# KiCad board CPU2908C.kicad_pcb (continued)
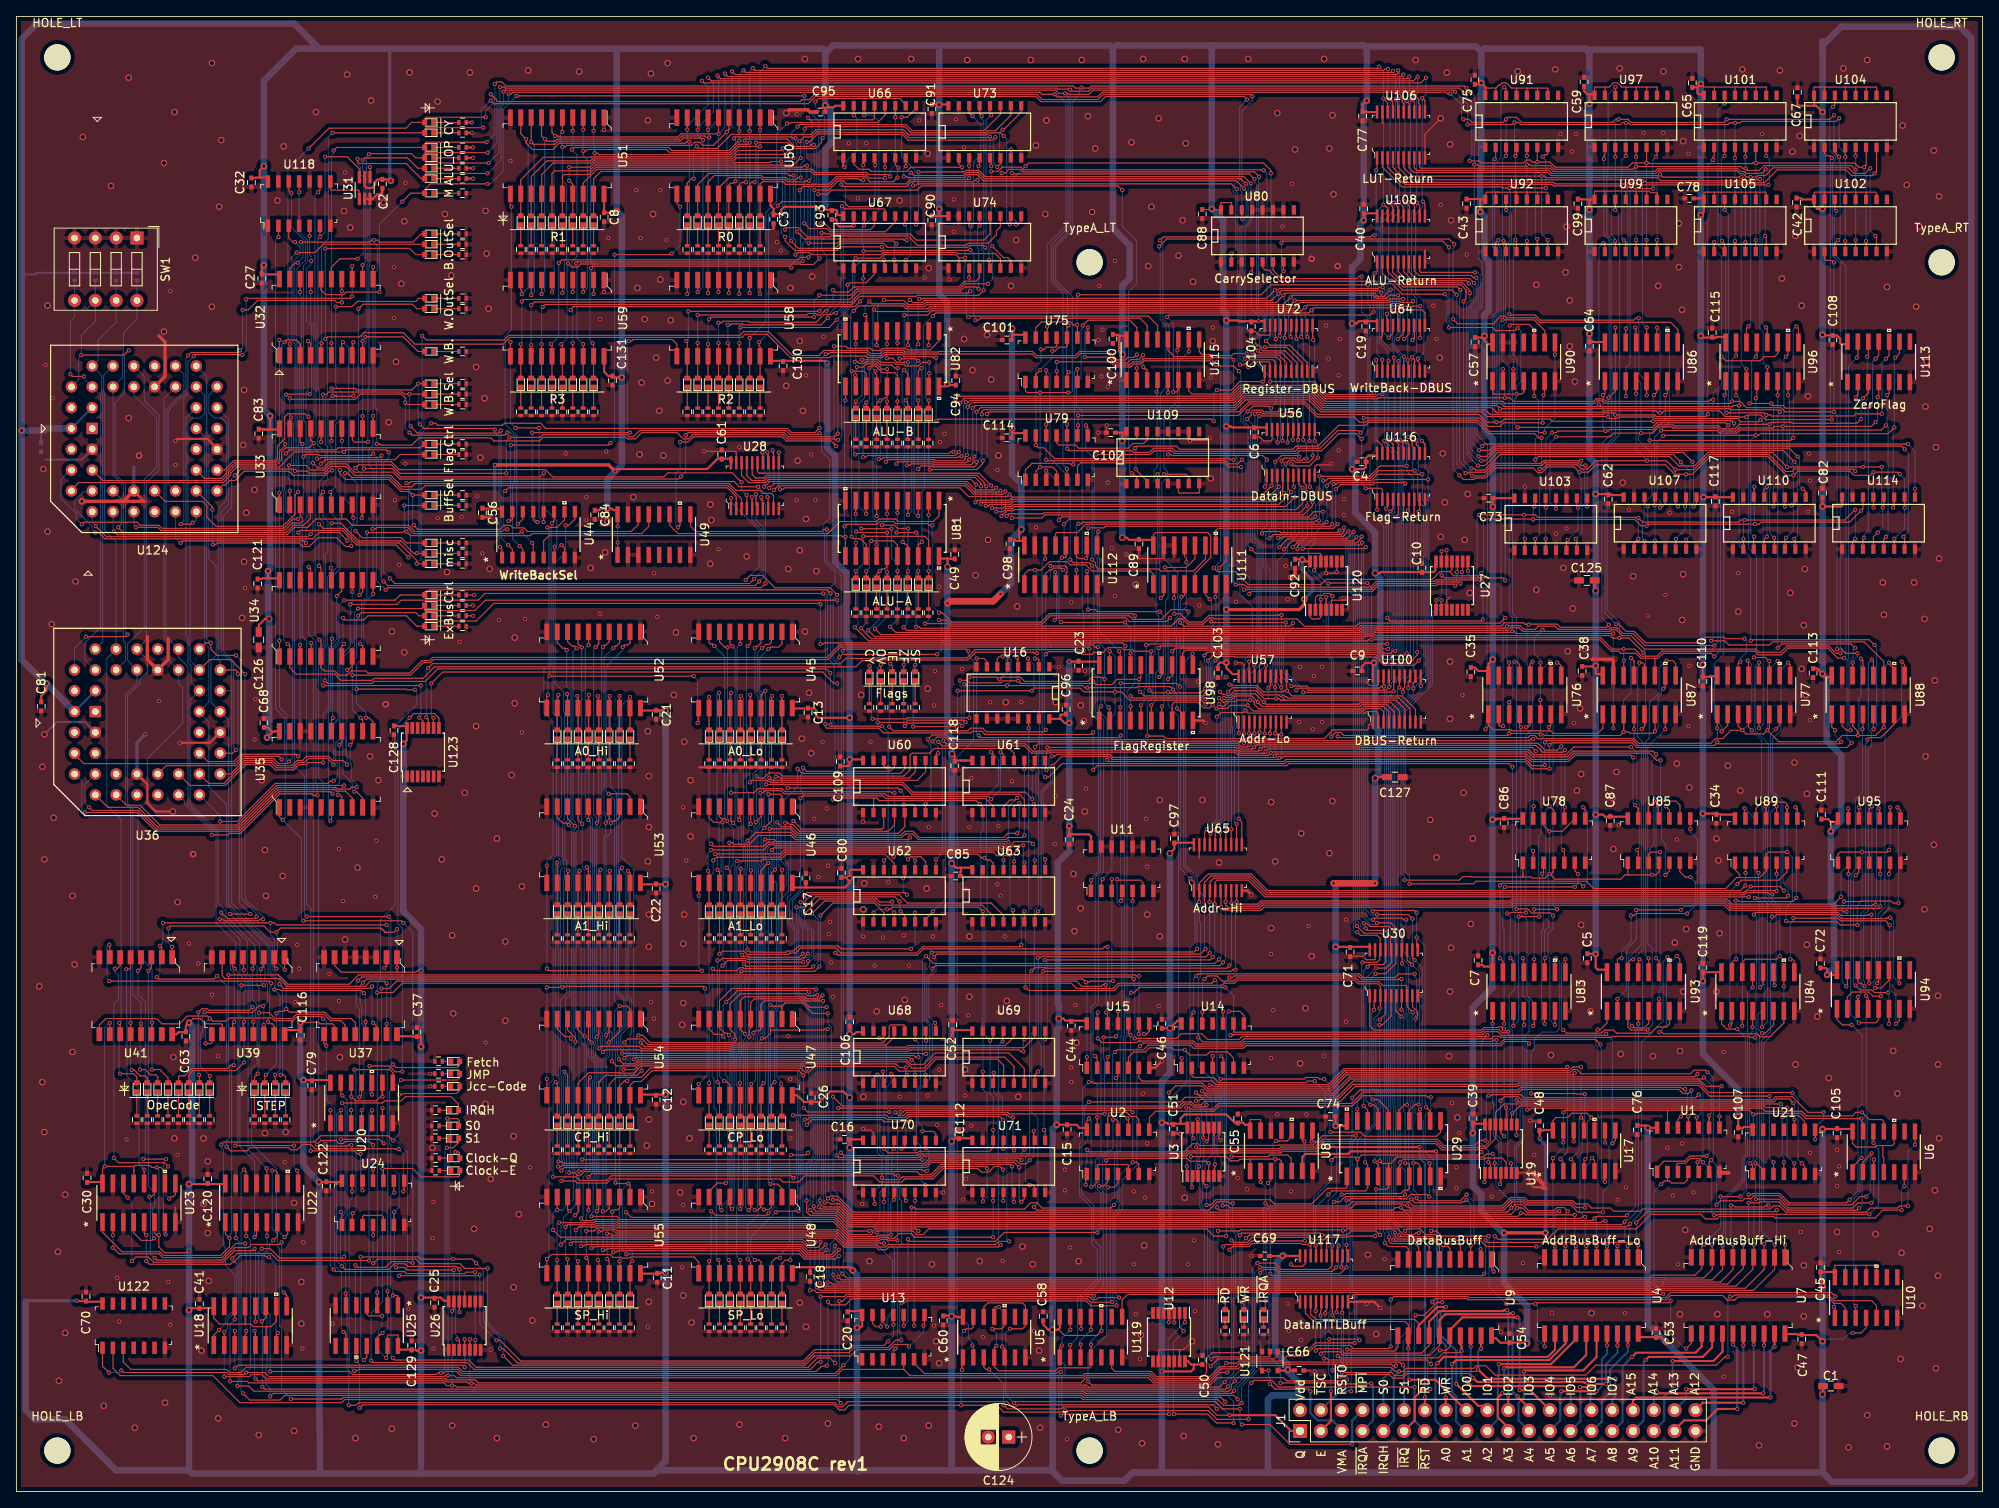
[diagram p0: board, top side]
## Routing (per net, layer and track width the routed paths; a pad name or vN(x,y) marks a point on that pad's centre or on a via; arc(x,y) is an arc through that point) (continued)
/Executer/L72: length 47
  Top w0.127: v1(96.11,46.79) 96.58,46.32 v1(106.57,46.32) ; 107.16,49.71 107.16,50.62 v1(106.79,50.98) ; v1(96.07,50.79) 95.49,51.36 77.58,51.36 76.26,50.04 75.37,50.04 74.9,49.57 U54.19 74.9,45.9
  Bottom w0.127: v1(106.57,46.32) 106.16,46.73 106.16,49.33 106.79,49.97 v1(106.79,50.98) ; v1(96.11,46.79) 96.07,46.83 v1(96.07,50.79)
/Executer/L73: length 46.5
  Top w0.127: v1(75.93,55.68) 76.44,55.68 77.33,54.79 87.46,54.79 87.52,54.73 90.83,54.73 ; 90.83,54.73 91.11,54.73 ; 90.83,54.73 105.72,54.73 106.54,55.55 106.54,56.74 106.75,56.95 108.32,56.95 108.44,56.82 108.44,56.32 ; v1(74.53,50.09) 74.18,50.09 73.63,49.54 U54.18 73.63,45.78
  Bottom w0.127: v1(75.93,55.68) 75.68,55.43 75.68,53.07 75.79,52.96 75.79,51.35 v1(74.53,50.09)
/Executer/L74: length 56.5
  Top w0.127: 72.36,45.9 U54.17 72.36,49.7 73.21,50.54 74.37,50.54 74.38,50.55 76.26,50.55 77.4,51.68 95.77,51.68 96.28,51.18 96.7,51.18 97.42,51.89 107.15,51.89 107.74,51.3 110.8,51.3 112.25,52.76 119.75,52.76 120.51,52 120.51,49.97
/Executer/L75: length 60.5
  Top w0.127: v1(76.31,51.36) 75.75,50.8 74.27,50.8 74.26,50.8 71.94,50.8 71.09,49.95 U54.16 71.09,45.78 ; v1(76.19,54.79) 76.69,54.28 87.25,54.28 87.31,54.22 108.64,54.22 108.83,54.42 120.69,54.42 121.76,55.49 121.76,56.19
  Bottom w0.127: v1(76.31,51.36) 76.31,54.67 v1(76.19,54.79)
/Executer/L76: length 66.6
  Top w0.127: 69.82,45.78 U54.15 69.82,50.32 v1(70.04,50.54) ; v1(107.11,35.62) 107.11,36.33 107.16,36.38 ; v1(68.93,33.33) 69.18,33.08 70.34,33.08 70.47,33.2 73.34,33.2 73.6,32.95 99.71,32.95 101.55,31.11 105.12,31.11 105.31,31.3 106.66,31.3 v1(106.72,31.36)
  Bottom w0.127: v1(70.04,50.54) 70.04,39.26 69.19,38.41 69.19,33.58 v1(68.93,33.33) ; v1(107.11,35.62) 106.72,35.22 v1(106.72,31.36)
/Executer/L77: length 57.9
  Top w0.127: v1(96.49,44.76) 97.12,45.39 105.65,45.39 105.9,45.14 v1(108.95,45.14) ; 68.55,45.78 U54.14 68.55,49.82 69.84,51.11 73.76,51.11 73.82,51.05 74.16,51.05 74.17,51.06 75.36,51.06 76.24,51.94 96.17,51.94 v1(96.49,51.62) ; 108.44,42.73 108.44,41.97 108.32,41.84 v1(108,41.84)
  Bottom w0.127: v1(96.49,44.76) 96.74,45.01 96.74,51.01 96.49,51.26 v1(96.49,51.62) ; v1(108.95,45.14) 108.57,44.76 108.57,42.41 v1(108,41.84)
/Executer/L78: length 80.4
  Top w0.127: v1(66.52,37.9) 68.19,37.9 68.43,37.65 72.09,37.65 72.6,38.15 93.19,38.15 93.57,37.77 95.49,37.77 96.25,38.53 104.64,38.53 105.4,37.77 108.06,37.77 108.44,38.16 111.62,38.16 111.87,38.15 113.14,39.42 117.36,39.42 117.8,38.98 118.67,38.98 119.36,39.67 120.07,39.67 v1(120.45,39.3) ; 120.49,36.38 120.45,36.33 v1(120.45,35.49) ; v1(66.9,51.24) 67.28,50.85 U54.13 67.28,45.78
  Bottom w0.127: v1(66.9,51.24) 66.9,50.83 67.03,50.71 67.03,41.2 67.15,41.08 67.15,39.22 67.05,39.13 67.05,38.44 v1(66.52,37.9) ; v1(120.45,39.3) v1(120.45,35.49)
/Executer/L79: length 86.2
  Top w0.127: 66.01,45.9 U54.12 66.01,49.78 v1(65.82,49.97) ; v1(121.78,41.64) 121.78,42.85 ; v1(65.5,38.41) 68.3,38.41 68.74,37.97 72.05,37.97 72.61,38.53 94.61,38.53 v1(94.86,38.28) ; v1(121.65,45.65) 121.27,45.65 120.89,46.03 108.85,46.03 108.47,45.65 106.49,45.65 106.21,45.92 v1(94.8,45.92)
  Bottom w0.127: v1(65.5,38.41) 65.5,49.64 v1(65.82,49.97) ; v1(94.86,38.28) 95.24,38.66 95.24,45.48 v1(94.8,45.92) ; v1(121.65,45.65) 121.65,41.77 v1(121.78,41.64)
/Executer/L80: length 74.8
  Top w0.127: 105.51,80.83 104.76,80.83 ; 104.76,80.83 95.87,80.83 v1(94.86,81.84) ; 104.76,80.83 105.65,80.83 105.87,81.05 105.87,82.7 ; v1(94.47,28.25) 93.84,28.25 93.44,27.85 U48.19 93.44,24.06
  Bottom w0.127: v1(94.86,81.84) 94.53,81.51 94.53,72.88 94.09,72.44 94.09,69.4 94.98,68.51 94.98,60.76 96.49,59.26 96.49,52.87 95.69,52.07 95.69,51.69 95.36,51.36 95.36,45.72 95.49,45.59 95.49,38.56 95.36,38.43 95.36,34.76 94.72,34.12 94.72,28.85 94.47,28.6 v1(94.47,28.25)
/Executer/L81: length 81.6
  Top w0.127: v1(96.62,41.33) 96.36,41.08 v1(94.58,41.08) ; 92.17,24.06 U48.18 92.17,27.98 92.7,28.5 v1(93.2,28.5) ; 107.16,89.08 107.16,88.41 106.62,87.88 96.44,87.88 v1(96,88.32)
  Bottom w0.127: v1(94.58,41.08) 94.35,40.84 94.35,30 93.2,28.86 v1(93.2,28.5) ; v1(96,88.32) 96,87.69 95.74,87.43 95.74,85.53 96.12,85.14 96.12,73.48 94.73,72.09 94.73,69.52 95.49,68.76 95.49,61.01 96.99,59.51 96.99,41.71 v1(96.62,41.33)
/Executer/L82: length 92.2
  Top w0.127: 119.22,83.11 119.22,83.64 118.28,84.58 106.09,84.58 105.78,84.89 95.94,84.89 v1(95.68,84.64) ; v1(90.16,28.25) 90.66,28.25 90.9,28.01 U48.17 90.9,24.06 ; v1(95.47,34.22) 92.82,34.22 v1(92.7,34.09)
  Bottom w0.127: v1(90.16,28.25) 89.65,28.76 89.65,31.04 v1(92.7,34.09) ; v1(95.47,34.22) 95.74,34.49 95.74,45.69 95.63,45.81 95.63,50.99 95.94,51.31 95.94,51.94 96.74,52.74 96.74,59.38 95.24,60.89 95.24,68.61 94.35,69.5 94.35,72.06 95.68,73.4 v1(95.68,84.64)
/Executer/L83: length 98.6
  Top w0.127: v1(89.27,28.38) 89.63,28.01 U48.16 89.63,24.06 ; v1(118.98,84.5) 118.65,84.83 106.34,84.83 106.03,85.14 93.71,85.14 93.33,85.53 91.39,85.53 91.16,85.29 v1(90.8,85.29) ; v1(120.13,90.22) 120.18,90.22 120.49,89.91 U61.13
  Bottom w0.127: v1(120.13,90.22) 120.13,85.65 v1(118.98,84.5) ; v1(90.8,85.29) 90.8,84.94 90.96,84.78 90.96,81.27 90.52,80.83 90.52,76.66 90.86,76.32 90.86,55.88 90.46,55.48 90.46,34.68 90.58,34.56 90.58,33.88 89.27,32.57 v1(89.27,28.38)
/Executer/L84: length 65.9
  Top w0.127: 88.36,24.06 U48.15 v1(88.36,28.25) ; v1(88.49,63.49) 97.44,63.49 v1(98.01,64.06) ; v1(98.14,70.29) 99.66,71.81 104.75,71.81 105.89,70.67 105.89,69.78
  Bottom w0.127: v1(88.36,28.25) 87.92,28.69 87.92,34.68 88.12,34.88 88.12,49.4 88.09,49.4 87.86,49.63 87.86,53.26 88.23,53.63 88.23,55.32 88.23,55.32 88.23,63.23 v1(88.49,63.49) ; v1(98.01,64.06) 98.14,64.19 v1(98.14,70.29)
/Executer/L85: length 74.1
  Top w0.127: 87.09,24.06 U48.14 87.09,28.12 v1(86.97,28.25) ; 107.17,76.13 107.17,76.64 106.03,77.78 93.97,77.78 93.33,77.14 91.11,77.14 90.92,76.96 v1(87.98,76.96)
  Bottom w0.127: v1(86.97,28.25) 86.72,28.5 86.72,35.13 87.35,35.76 87.35,54.9 87.29,54.96 87.29,55.38 87.7,55.8 87.7,76.34 87.73,76.37 87.73,76.71 v1(87.98,76.96)
/Executer/L86: length 84.2
  Top w0.127: 85.82,23.93 U48.13 85.82,28.12 v1(85.69,28.25) ; v1(84.99,63.81) 85.24,63.56 87.91,63.56 88.28,63.93 88.7,63.93 88.82,63.81 97,63.81 v1(97.25,64.06) ; v1(97.12,70.54) 98.65,72.06 104.85,72.06 105.36,71.56 117.89,71.56 119.22,70.22 119.22,69.52
  Bottom w0.127: v1(97.12,70.54) 97.88,69.78 97.88,64.69 v1(97.25,64.06) ; v1(84.99,63.81) 84.93,63.75 84.93,50.6 85.13,50.4 85.13,46.85 85.45,46.53 85.45,28.5 v1(85.69,28.25)
/Executer/L87: length 94.2
  Top w0.127: v1(120.49,77.02) U63.13 ; v1(84.55,28.12) U48.12 84.55,23.93 ; v1(120.38,78.29) 120.13,78.54 92.44,78.54 v1(92.19,78.29) ; v1(84.81,34.22) 85.31,33.71 91.56,33.71 v1(91.81,33.96)
  Bottom w0.127: v1(91.81,33.96) 92.49,34.64 92.49,37.73 92.04,38.17 92.04,58.68 92.81,59.44 92.81,74.21 92.09,74.92 92.09,76.01 92.47,76.39 92.47,78 v1(92.19,78.29) ; v1(120.38,78.29) 120.49,78.18 v1(120.49,77.02) ; v1(84.55,28.12) 84.81,28.38 v1(84.81,34.22)
/Executer/L88: length 63.6
  Top w0.127: v1(105.78,51.24) 105.78,49.7 105.89,49.59 ; v1(75.17,28.12) 74.9,27.85 U55.19 74.9,24.06 ; v1(104.13,31.81) 101.57,31.81 99.92,33.46 75.04,33.46 v1(74.41,34.09)
  Bottom w0.127: v1(105.78,51.24) 105.78,50.85 105.4,50.48 105.4,41.58 106.16,40.82 106.16,37.27 105.4,36.5 105.4,33.07 v1(104.13,31.81) ; v1(75.17,28.12) 75.17,29.26 74.41,30.03 v1(74.41,34.09)
/Executer/L89: length 65.9
  Top w0.127: 73.63,24.06 U55.18 v1(73.63,28.11) ; 107.16,56.19 107.16,55.49 106.15,54.48 87.41,54.48 87.35,54.54 77.07,54.54 76.38,55.23 74.64,55.23 v1(74.2,54.79)
  Bottom w0.127: v1(74.2,54.79) 74.65,54.34 74.65,52.69 73.63,51.67 v1(73.63,28.11)
/Executer/L90: length 79.3
  Top w0.127: v1(120.13,30.09) 119.87,29.84 106.47,29.84 106.15,29.52 105.27,29.52 104.96,29.83 101.03,29.83 99.94,30.93 96.72,30.93 96.35,31.3 72.65,31.3 72.46,31.48 v1(72.11,31.48) ; v1(72.11,28.38) 72.36,28.12 U55.17 72.36,24.06 ; v1(119.3,51.11) 119.3,49.9 119.24,49.84
  Bottom w0.127: v1(72.11,28.38) v1(72.11,31.48) ; v1(119.3,51.11) 119.3,48.75 119.86,48.19 119.86,30.36 v1(120.13,30.09)
/Executer/L91: length 84.9
  Top w0.127: v1(71.09,31.74) 71.44,31.74 71.64,31.93 72.82,31.93 73.2,31.55 96.46,31.55 96.83,31.18 100.04,31.18 101.14,30.08 105.07,30.08 105.31,29.84 106.12,29.84 106.43,30.15 119.54,30.15 119.92,30.53 v1(121.14,30.53) ; 71.09,24.19 U55.16 71.09,28.12 v1(70.96,28.25) ; 120.49,55.68 120.38,55.57 v1(120.38,54.92)
  Bottom w0.127: v1(121.14,30.53) 120.89,30.79 120.89,45.78 120.38,46.28 120.38,48.02 119.87,48.53 119.87,54.41 v1(120.38,54.92) ; v1(70.96,28.25) 70.96,31.61 v1(71.09,31.74)
/Executer/L92: length 51.4
  Top w0.127: v1(105.89,35.36) 105.89,36.38 ; v1(105.9,30.28) 105.55,30.28 105.48,30.35 101.23,30.35 100.15,31.43 96.96,31.43 96.58,31.81 73.3,31.81 72.92,32.19 70.89,32.19 70.51,31.81 v1(69.57,31.81) ; 69.82,23.93 U55.15 69.82,28.25 v1(69.57,28.5)
  Bottom w0.127: v1(69.57,28.5) v1(69.57,31.81) ; v1(105.9,30.28) 105.89,30.3 v1(105.89,35.36)
/Executer/L93: length 60.7
  Top w0.127: 68.55,24.06 U55.14 v1(68.55,28.12) ; v1(107.56,30.66) 106.42,30.66 106.29,30.79 105.52,30.79 105.33,30.6 101.34,30.6 100.25,31.69 97.06,31.69 96.56,32.19 73.28,32.19 73.03,32.44 70.78,32.44 70.65,32.31 68.67,32.31 v1(68.3,31.93) ; v1(107.11,41.84) 107.11,42.56 107.16,42.6
  Bottom w0.127: v1(68.3,31.93) 68.3,28.38 v1(68.55,28.12) ; v1(107.11,41.84) 106.86,41.59 106.86,37.34 107.56,36.65 v1(107.56,30.66)
/Executer/L94: length 67.4
  Top w0.127: 67.28,24.06 U55.13 v1(67.28,28.38) ; v1(67.03,32.31) 67.28,32.56 70.55,32.56 70.68,32.69 73.13,32.69 73.39,32.44 96.67,32.44 97.17,31.94 100.36,31.94 101.44,30.86 105.23,30.86 105.42,31.04 106.4,31.04 106.52,30.92 107.16,30.92 107.72,31.48 109.26,31.48 109.7,31.04 v1(119.22,31.04) ; v1(119.22,35.49) 119.22,36.38
  Bottom w0.127: v1(67.03,32.31) 67.03,28.63 v1(67.28,28.38) ; v1(119.22,35.49) v1(119.22,31.04)
/Executer/L95: length 82.9
  Top w0.127: v1(66.01,28.25) U55.12 66.01,24.06 ; v1(66.26,32.82) 70.44,32.82 70.57,32.95 73.24,32.95 73.49,32.69 96.77,32.69 97.06,32.41 v1(97.37,32.41) ; v1(120.45,45.33) 120.01,45.78 108.95,45.78 108.57,45.39 106.28,45.39 106.03,45.65 96.84,45.65 96.59,45.39 v1(96.24,45.39) ; 120.49,42.6 120.45,42.56 v1(120.45,41.84)
  Bottom w0.127: v1(66.01,28.25) 66.01,32.57 v1(66.26,32.82) ; v1(120.45,45.33) v1(120.45,41.84) ; v1(97.37,32.41) 96,33.78 96,45.16 v1(96.24,45.39)
/Executer/MISC0: length 141.7
  Top w0.127: v1(136.76,138.74) 136.41,138.39 135.65,138.39 135.34,138.08 134.38,138.08 133.34,139.12 129.78,139.12 129.27,138.61 124.54,138.61 124.03,139.12 112.64,139.12 112.57,139.05 108.51,139.05 108.32,139.25 105.86,139.25 105.47,138.87 104.23,138.87 103.85,139.25 98.58,139.25 97.95,138.62 94.72,138.62 91.81,141.53 88.76,141.53 88.31,141.08 60.12,141.08 59.55,140.52 50.02,140.52 v1(49.52,141.03) ; v1(38.47,118.17) 39.61,118.17 41.77,116.01 46.97,116.01 48.49,114.48 48.61,114.48 ; v1(38.39,112.7) 38.45,112.64 U34.15 ; 136.75,135.06 v1(136.75,137.09) ; 48.61,114.48 v1(48.87,114.48) ; 48.61,114.48 49.75,114.48
  Bottom w0.127: v1(136.75,137.09) 136.76,137.1 v1(136.76,138.74) ; v1(49.52,141.03) 49.52,130.72 49.77,130.47 49.77,129.89 49.13,129.26 49.13,114.75 v1(48.87,114.48) ; v1(38.39,112.7) 38.39,118.09 v1(38.47,118.17)
/Executer/MISC1: length 141.4
  Top w0.127: v1(36.94,118.04) 37.45,117.53 39.89,117.53 41.66,115.75 46.72,115.75 48.87,113.61 v1(48.87,113.21) 49.75,113.21 ; v1(50.64,130.36) 51.17,130.36 51.42,130.11 59.16,130.11 59.17,130.1 59.32,130.1 59.58,130.36 63.99,130.36 64.63,129.72 94.09,129.72 94.6,129.21 97.47,129.21 v1(98.03,129.77) ; v1(137.53,138.67) 136.99,138.13 136.03,138.13 135.62,137.72 134.35,137.72 133.21,138.87 129.89,138.87 129.38,138.36 124.43,138.36 123.99,138.8 108.38,138.8 108.19,138.99 105.96,138.99 105.58,138.61 104.13,138.61 103.75,138.99 99.33,138.99 99.15,138.81 v1(98.79,138.81) ; v1(137.53,137.22) 137.78,136.97 137.91,136.97 138.02,136.85 138.02,135.5 ; 37.18,111.19 37.18,112.7 v1(36.93,112.96)
  Bottom w0.127: v1(137.53,137.22) 137.53,138.67 v1(137.53,138.67) ; v1(50.64,130.36) 49.39,129.1 49.39,113.74 v1(48.87,113.21) ; v1(36.93,112.96) 36.93,118.02 v1(36.94,118.04) ; v1(98.03,129.77) 98.03,138.04 v1(98.79,138.81)
/Executer/RegCtrl10: length 252.8
  Top w0.127: v1(105.33,55.33) 105.68,55.33 105.89,55.54 105.89,56.19 ; v1(38.98,144.58) 40.97,144.58 41.61,145.22 48.75,145.22 49.14,145.6 49.88,145.6 ; v1(107.06,77.43) 107.4,77.78 112.64,77.78 ; 105.9,75.62 v1(105.9,77.02) ; U60.14 105.89,88.46 106.03,88.32 v1(106.41,88.32) ; 119.22,89.21 119.22,89.99 v1(118.99,90.22) ; v1(99.37,93.59) 99.55,93.4 v1(105.65,93.4) ; v1(118.86,55.05) 119.22,55.41 119.22,56.19 ; v1(37.65,98.99) 38.02,98.61 43.42,98.61 43.67,98.86 49.9,98.86 51.42,100.39 98.84,100.39 v1(99.34,99.88) ; 119.24,42.73 119.24,42 118.77,41.52 110.2,41.52 110,41.33 106.41,41.33 v1(105.9,41.84) 105.9,42.73 ; v1(38.32,121.97) 38.45,121.85 U33.6 ; 112.64,77.78 112.77,77.78 ; 112.64,77.78 117.33,77.78 117.78,77.33 118.03,77.33 ; v1(119.24,44.12) 119.24,42.85 ; 118.03,77.33 v1(118.16,77.33) ; 118.03,77.33 118.23,77.33 118.48,77.08 118.83,77.08 119.22,76.69 119.22,75.87
  Bottom w0.127: 106.54,78.29 106.41,78.41 v1(106.41,88.32) 106.41,92.64 v1(105.65,93.4) ; 106.54,78.29 106.54,77.65 v1(105.9,77.02) ; 106.54,78.29 106.54,77.96 v1(107.06,77.43) ; v1(99.34,99.88) 99.37,99.85 v1(99.37,93.59) ; v1(38.98,144.58) 38.98,134.89 39.74,134.13 39.74,130.99 38.98,130.23 38.98,122.63 v1(38.32,121.97) 38.32,119.45 39.23,118.55 39.23,112.89 37.96,111.62 37.96,103.22 37.65,102.9 v1(37.65,98.99) ; v1(118.99,90.22) 119.87,89.34 119.87,86.29 118.42,84.84 118.41,84.84 118.41,77.58 v1(118.16,77.33) 118.48,77.01 118.48,70.41 118.22,70.16 118.22,55.68 v1(118.86,55.05) 118.86,48.54 119.24,48.16 v1(119.24,44.12) ; v1(105.33,55.33) 106.22,54.44 106.22,50 105.9,49.69 v1(105.9,41.84)
/Executer/RegCtrl11: length 268.7
  Top w0.127: 104.63,36.38 104.63,35.59 104.76,35.46 v1(104.76,35.11) ; 49.88,144.33 48.88,144.33 48.33,144.88 42.32,144.88 42.02,144.58 42,144.58 v1(41.75,144.33) ; v1(105.09,50.88) 104.63,50.43 104.63,49.71 ; 117.97,69.65 v1(117.97,70.79) 117.46,71.3 106.89,71.3 106.64,71.05 v1(106.28,71.05) ; 104.63,84.64 104.63,82.86 ; 104.63,84.64 100.22,84.64 100.03,84.45 v1(99.68,84.45) ; 104.63,84.64 105.02,84.64 105.34,84.32 117.15,84.32 v1(117.59,83.87) 117.64,83.87 117.95,83.56 U61.2 ; U33.9 42.26,118.91 v1(42.15,118.8) ; v1(105.65,38.32) 105.9,38.07 107.77,38.07 108.11,38.41 111.75,38.41 113.01,39.67 118.23,39.67 v1(118.48,39.43) ; v1(117.97,51.24) 117.95,51.22 U69.2 ; v1(117.97,35.42) 117.95,35.44 U71.2 ; v1(59.8,124.25) 46.82,124.25 45.79,125.28 41.77,125.28 v1(41.39,124.9) ; v1(104.63,70.67) 104.63,69.78 ; v1(60.18,128.64) 63.95,128.64 64.27,128.96 74.53,128.96 74.79,128.71 75.3,128.71 76.06,129.47 93.97,129.47 94.47,128.96 97.84,128.96 v1(98.03,129.15)
  Bottom w0.127: v1(42.15,118.8) 42.15,124.13 v1(41.39,124.9) 41.75,125.26 v1(41.75,144.33) ; 117.97,51.11 v1(117.97,51.24) ; 117.97,51.11 v1(117.97,70.79) 117.72,71.05 117.72,80.45 117.97,80.7 117.97,83.49 v1(117.59,83.87) ; 117.97,51.11 117.97,49.07 118.48,48.56 v1(118.48,39.43) 118.48,35.93 v1(117.97,35.42) ; v1(59.8,124.25) 59.8,128.26 v1(60.18,128.64) ; v1(98.03,129.15) 98.28,128.9 98.28,126.93 99.27,125.94 99.27,118.77 98.48,117.98 98.48,117.05 98.65,116.88 98.65,113.45 99.94,112.17 99.94,110.93 98.93,109.92 98.93,109.39 99,109.32 99,101.7 99.81,100.89 99.81,98.88 99.68,98.75 99.68,93.93 99.93,93.68 99.93,84.7 v1(99.68,84.45) ; v1(104.63,70.67) 105.02,71.05 v1(106.28,71.05) ; 105.65,37.52 105.65,38.79 ; 105.65,37.52 104.76,36.63 v1(104.76,35.11) ; 105.65,37.52 v1(105.65,38.32) 105.65,38.79 ; 105.65,38.79 105.65,40.82 105.09,41.38 v1(105.09,50.88)
/Executer/RegCtrl12: length 59.4
  Top w0.127: 42.26,129.7 v1(42.26,131.25) ; v1(42.4,124.83) 45.88,124.83 46.9,123.81 63.92,123.81 v1(64.38,124.26) ; U44.6 65.63,115.3 ; 49.75,139.12 49.01,139.12 47.23,140.9 v1(42.6,140.9)
  Bottom w0.127: v1(64.38,124.26) 64.38,120.07 65.95,118.49 65.95,115.55 v1(65.7,115.3) ; v1(42.4,124.83) 42.26,124.97 v1(42.26,131.25) 42.26,139.73 42.69,140.16 42.69,140.8 v1(42.6,140.9)
/Executer/RegCtrl13: length 50.6
  Top w0.127: v1(38.47,134.61) 41.33,134.61 41.52,134.42 48.29,134.42 v1(49.05,135.18) 49.75,135.18 ; v1(38.47,128.2) 38.45,128.21 38.45,129.7 ; v1(49.25,130.23) 49.75,129.72 58.26,129.72 v1(58.39,129.59) ; v1(59.03,115.24) 59.28,114.99 U44.1
  Bottom w0.127: v1(38.47,128.2) 38.47,130.23 39.1,130.87 39.1,133.97 v1(38.47,134.61) ; v1(58.39,129.59) 58.39,129.24 58.91,128.72 58.91,115.36 v1(59.03,115.24) ; v1(49.05,135.18) 49.05,130.42 v1(49.25,130.23)
/Executer/RegCtrl14: length 51.7
  Top w0.127: 37.18,129.7 37.18,128.09 v1(37.2,128.07) ; 49.88,133.91 v1(47.98,133.91) 47.36,133.91 47.1,134.17 38.11,134.17 37.8,133.85 v1(37.44,133.85) ; v1(59.13,129.45) 58.83,129.15 48.94,129.15 v1(48.12,129.98) ; v1(60.04,115.5) 60.55,114.99 U44.2
  Bottom w0.127: v1(48.12,129.98) 47.98,130.12 v1(47.98,133.91) ; v1(59.13,129.45) 59.13,129.1 59.17,129.06 59.17,116.37 v1(60.04,115.5) ; v1(37.44,133.85) 37.44,128.67 37.2,128.42 v1(37.2,128.07)
/Executer/RegCtrl15: length 54
  Top w0.127: D16.2 47.72,132.64 v1(47.47,132.9) 47.47,133.44 47,133.91 41.98,133.91 41.35,133.28 33.5,133.28 v1(33.37,133.41) ; v1(47.99,129.21) 48.31,128.9 59.61,128.9 v1(59.94,129.23) ; U44.3 61.82,114.99 v1(61.44,115.37) ; v1(33.51,131.06) 33.37,130.92 33.37,129.7
  Bottom w0.127: v1(47.99,129.21) 47.47,129.74 v1(47.47,132.9) ; v1(33.37,133.41) 33.37,131.2 v1(33.51,131.06) ; v1(59.94,129.23) 60.29,129.23 60.82,128.7 60.82,123.14 60.56,122.89 60.56,116.24 v1(61.44,115.37)
/Executer/RegCtrl16: length 166.6
  Top w0.127: v1(33.12,103.43) 33.37,103.18 U34.2 33.37,100.53 34.15,99.75 38.85,99.75 39.61,98.99 43.42,98.99 43.67,99.24 49.64,99.24 51.04,100.64 102.47,100.64 103.24,101.4 104.6,101.4 104.67,101.47 116.13,101.47 117.08,102.42 124.09,102.42 124.22,102.29 v1(124.57,102.29) ; v1(32.88,126.67) 33.32,127.11 39.03,127.11 39.29,127.37 49.31,127.37 49.75,127.82 ; 138.8,111.18 138.8,111.94 138.42,112.32 131.3,112.32 130.54,113.08 128.64,113.08 128.26,113.47 126.1,113.47 125.08,112.45 v1(124.32,112.45) 123.56,112.45 123.03,111.93 123.03,110.72
  Bottom w0.127: v1(124.57,102.29) 124.57,112.2 v1(124.32,112.45) ; v1(32.88,126.67) 32.5,126.29 32.5,122.19 32.62,122.06 32.62,103.92 v1(33.12,103.43)
/Executer/RegCtrl17: length 144.9
  Top w0.127: v1(37.01,103.94) 37.18,103.77 37.18,100.53 37.58,100.13 38.83,100.13 39.33,99.62 40.39,99.62 40.9,100.13 42.66,100.13 42.91,99.88 47.99,99.88 49.52,101.4 50.45,101.4 50.83,101.78 98.92,101.78 100.44,103.31 126.24,103.31 130.89,103.31 130.9,103.3 131.41,103.3 131.65,103.05 v1(132.01,103.05) ; v1(37.2,125.4) 37.71,125.91 46.21,125.91 46.85,126.55 49.88,126.55 ; U98.1 132.18,95.61 v1(132.38,95.81)
  Bottom w0.127: v1(37.2,125.4) 36.47,124.67 36.47,104.48 v1(37.01,103.94) ; v1(132.01,103.05) 132.01,99.58 132.38,99.2 v1(132.38,95.81)
/Executer/RO0: length 71.7
  Top w0.127: v1(108.32,160.46) 108.67,160.46 108.8,160.33 115.72,160.33 116.09,160.7 117.28,160.7 118.04,159.94 148.9,159.94 v1(149.84,159) ; v1(150.35,137.22) 150.98,137.85 152.9,137.85 153.02,137.73 U72.2 ; 108.56,163 v1(108.56,161.73)
  Bottom w0.127: v1(150.35,137.22) 149.34,138.23 149.34,141.48 149.34,154.28 150.09,155.04 150.09,158.75 v1(149.84,159) ; v1(108.32,160.46) 108.32,161.49 v1(108.56,161.73)
/Executer/RO1: length 78.2
  Top w0.127: v1(149.38,137.5) 149.89,137.5 150.5,138.1 153.4,138.1 153.64,137.87 153.64,137.34 ; v1(148.96,158.93) 148.32,159.57 109.98,159.57 109.78,159.37 v1(109.43,159.37) ; v1(108.06,167.69) 108.75,167.69 109.83,168.77 U66.9
  Bottom w0.127: v1(109.43,159.37) 109.43,159.73 109.65,159.95 109.65,161.29 109.65,161.29 108.06,162.87 v1(108.06,167.69) ; v1(148.96,158.93) 148.96,158.52 149.08,158.39 149.08,141.38 149.08,140.77 149.08,140.77 149.08,137.79 v1(149.38,137.5)
/Executer/RO2: length 81.6
  Top w0.127: v1(149.97,138.23) 150.17,138.43 153.84,138.43 154.32,137.95 U72.4 ; v1(150.05,159.59) 149.45,160.19 118.14,160.19 117.38,160.96 115.99,160.96 115.61,160.58 109.54,160.58 v1(109.18,160.94) ; v1(108.56,150.3) 108.56,149.41
  Bottom w0.127: v1(150.05,159.59) 150.35,159.3 150.35,154.93 149.59,154.18 149.59,141.59 149.59,138.61 v1(149.97,138.23) ; v1(109.18,160.94) 108.93,160.69 108.93,159.19 109.17,158.95 109.17,150.91 v1(108.56,150.3)
/Executer/RO3: length 75.2
  Top w0.127: v1(150.86,138.99) 151.18,138.68 154.1,138.68 155.04,137.74 155.04,137.34 ; v1(110.1,161.02) 115.69,161.02 115.88,161.21 117.49,161.21 118.24,160.46 121.28,160.46 121.29,160.45 149.84,160.45 v1(150.68,159.6) ; U67.9 v1(109.83,154.61)
  Bottom w0.127: v1(150.68,159.6) 150.68,154.91 149.97,154.2 149.97,142.04 150.55,141.47 150.55,139.31 v1(150.86,138.99) ; v1(109.83,154.61) 110.1,154.89 v1(110.1,161.02)
/Executer/RO4: length 61.9
  Top w0.127: v1(151.12,160.14) 150.49,160.78 121.61,160.78 v1(121.5,160.89) ; 121.38,162.87 v1(121.38,163.77) ; U72.6 155.62,137.8 154.48,138.93 151.83,138.93 v1(151.56,139.21)
  Bottom w0.127: v1(151.56,139.21) 151.33,139.44 151.03,139.44 150.8,139.67 150.8,140.58 152.14,141.92 152.14,143.39 151.37,144.15 151.37,159.54 151.12,159.79 v1(151.12,160.14) ; v1(121.5,160.89) 121.5,163.66 v1(121.38,163.77)
/Executer/RO5: length 69.3
  Top w0.127: v1(120.38,166.17) 120.51,166.17 122.65,168.31 U73.9 ; v1(120.25,160.9) 120.7,160.9 121.13,161.33 122.56,161.33 122.85,161.03 151.12,161.03 v1(151.69,160.46) ; v1(151.24,139.88) 151.59,139.88 151.95,139.53 151.95,139.42 152.17,139.19 154.86,139.19 156.31,137.74 156.31,137.34
  Bottom w0.127: v1(151.24,139.88) 151.24,140.66 152.39,141.81 152.39,143.69 151.62,144.45 151.62,160.03 151.69,160.1 v1(151.69,160.46) ; v1(120.25,160.9) 120.25,162.11 120.01,162.36 120.01,165.79 v1(120.38,166.17)
/Executer/RO6: length 76.5
  Top w0.127: v1(118.99,161.09) 119.8,161.09 120.31,161.6 122.65,161.6 122.96,161.29 151.82,161.29 151.89,161.22 v1(152.24,161.22) ; 121.38,150.19 121.38,149.41 ; 121.38,150.19 U74.7 ; 121.38,150.19 121.02,150.55 120.51,150.55 v1(119.11,151.95) ; v1(152.39,139.63) 155.05,139.63 156.92,137.76 U72.8
  Bottom w0.127: v1(152.39,139.63) 152.03,139.63 151.75,139.91 151.75,140.79 152.65,141.68 152.65,160.82 v1(152.24,161.22) ; v1(119.11,151.95) 118.99,152.07 v1(118.99,161.09)
/Executer/RO7: length 68.2
  Top w0.127: v1(153.12,160.86) 153.12,161.21 152.22,162.11 123.56,162.11 v1(123.18,161.73) ; v1(152.51,140.39) 153.02,139.88 155.44,139.88 157.57,137.75 U72.9 ; v1(122.03,154.61) 122.29,154.61 122.65,154.98 U74.9
  Bottom w0.127: v1(123.18,161.73) 121.53,160.07 121.53,155.48 122.03,154.97 v1(122.03,154.61) ; v1(153.12,160.86) 153.12,140.99 v1(152.51,140.39)
/Executer/tNL1: length 106.1
  Top w0.127: 200.01,94.29 v1(200.01,92.77) 199.77,92.52 196.95,92.52 196.76,92.71 v1(196.19,92.71) ; v1(182.87,101.27) 183.12,101.27 183.49,100.91 U76.13 ; U76.6 v1(186.03,96.58) ; U120.4 159.86,109.13 v1(159.88,109.15) ; v1(160.51,92.13) 161.02,92.63 161.66,92.63 162.04,92.26 181.98,92.26 v1(182.23,92.51) 185.91,92.51 v1(186.04,92.38) 186.39,92.38 186.52,92.26 195.73,92.26 v1(196.19,92.71) ; v1(182.22,96.32) 182.22,95.43 ; v1(196.19,92.71) 196.19,93.06 196.2,93.08 196.2,94.16 ; U76.10 187.29,101.15 v1(187.18,101.27) ; v1(197.07,101.72) 197.46,101.34 U87.13 ; 201.26,99.57 201.26,98.21 v1(201.03,97.97)
  Bottom w0.127: v1(196.19,92.71) 196.19,96.58 197.07,97.46 v1(197.07,101.72) ; v1(186.04,92.38) 186.03,92.4 v1(186.03,96.58) 186.03,100.11 v1(187.18,101.27) ; v1(159.88,109.15) 159.88,102.04 160.51,101.4 v1(160.51,92.13) ; v1(182.87,101.27) 182.67,101.08 182.67,96.78 v1(182.22,96.32) 182.22,92.53 v1(182.23,92.51) ; v1(201.03,97.97) 200.78,97.72 200.78,97.34 200.39,96.96 200.39,93.15 v1(200.01,92.77)
/Executer/tNL2: length 142.1
  Top w0.127: v1(224.78,92.26) 224.78,92.77 224.14,93.4 224.14,94.16 ; v1(224.78,92.26) 226.94,92.26 v1(227.94,93.26) U88.6 ; v1(224.78,92.26) 222.87,92.26 222.11,91.5 215.12,91.5 v1(213.73,92.89) ; U120.2 158.56,109.09 158.83,109.36 159.44,109.36 159.67,109.59 160.33,109.59 v1(160.64,109.28) ; v1(210.68,92.89) 211.12,92.45 213.29,92.45 v1(213.73,92.89) ; v1(210.68,92.89) 209.28,92.89 208.27,91.88 207.41,91.88 206.84,91.3 198.02,91.3 197.45,91.88 197.34,91.88 185.73,91.88 185.35,92.26 184.77,92.26 184.52,92 161.4,92 v1(161.28,92.13) ; v1(210.68,92.89) 210.17,93.4 210.17,94.03 ; v1(211.31,101.4) 211.43,101.29 U77.13 ; v1(228.59,101.15) 228.59,101 229.21,100.39 U88.10 ; v1(213.73,92.89) 213.97,93.13 U77.6 ; U77.10 215.24,101.07 v1(214.97,101.34) ; U88.13 225.4,101.4 v1(225.14,101.66)
  Bottom w0.127: v1(227.94,93.26) 227.94,100.5 v1(228.59,101.15) ; v1(213.73,92.89) 213.73,100.1 v1(214.97,101.34) ; v1(160.64,109.28) 160.64,108.89 160.13,108.39 160.13,102.14 160.77,101.51 160.77,92.99 161.28,92.48 v1(161.28,92.13) ; v1(210.68,92.89) 211.82,94.03 211.82,100.89 v1(211.31,101.4) ; v1(224.78,92.26) 224.78,92.61 224.9,92.73 224.9,96.76 225.14,97.01 v1(225.14,101.66)
/Executer/WB_A0: length 49.7
  Top w0.127: v1(65.08,99.56) 65.14,99.5 v1(82.66,99.5) ; U44.11 65.63,118.42 v1(65.38,118.17) ; v1(83.16,93.78) 83.28,93.91 U45.11 ; U52.11 64.74,97.08 v1(64.87,97.21)